# KiCad board dya-panelized.kicad_pcb (continued)
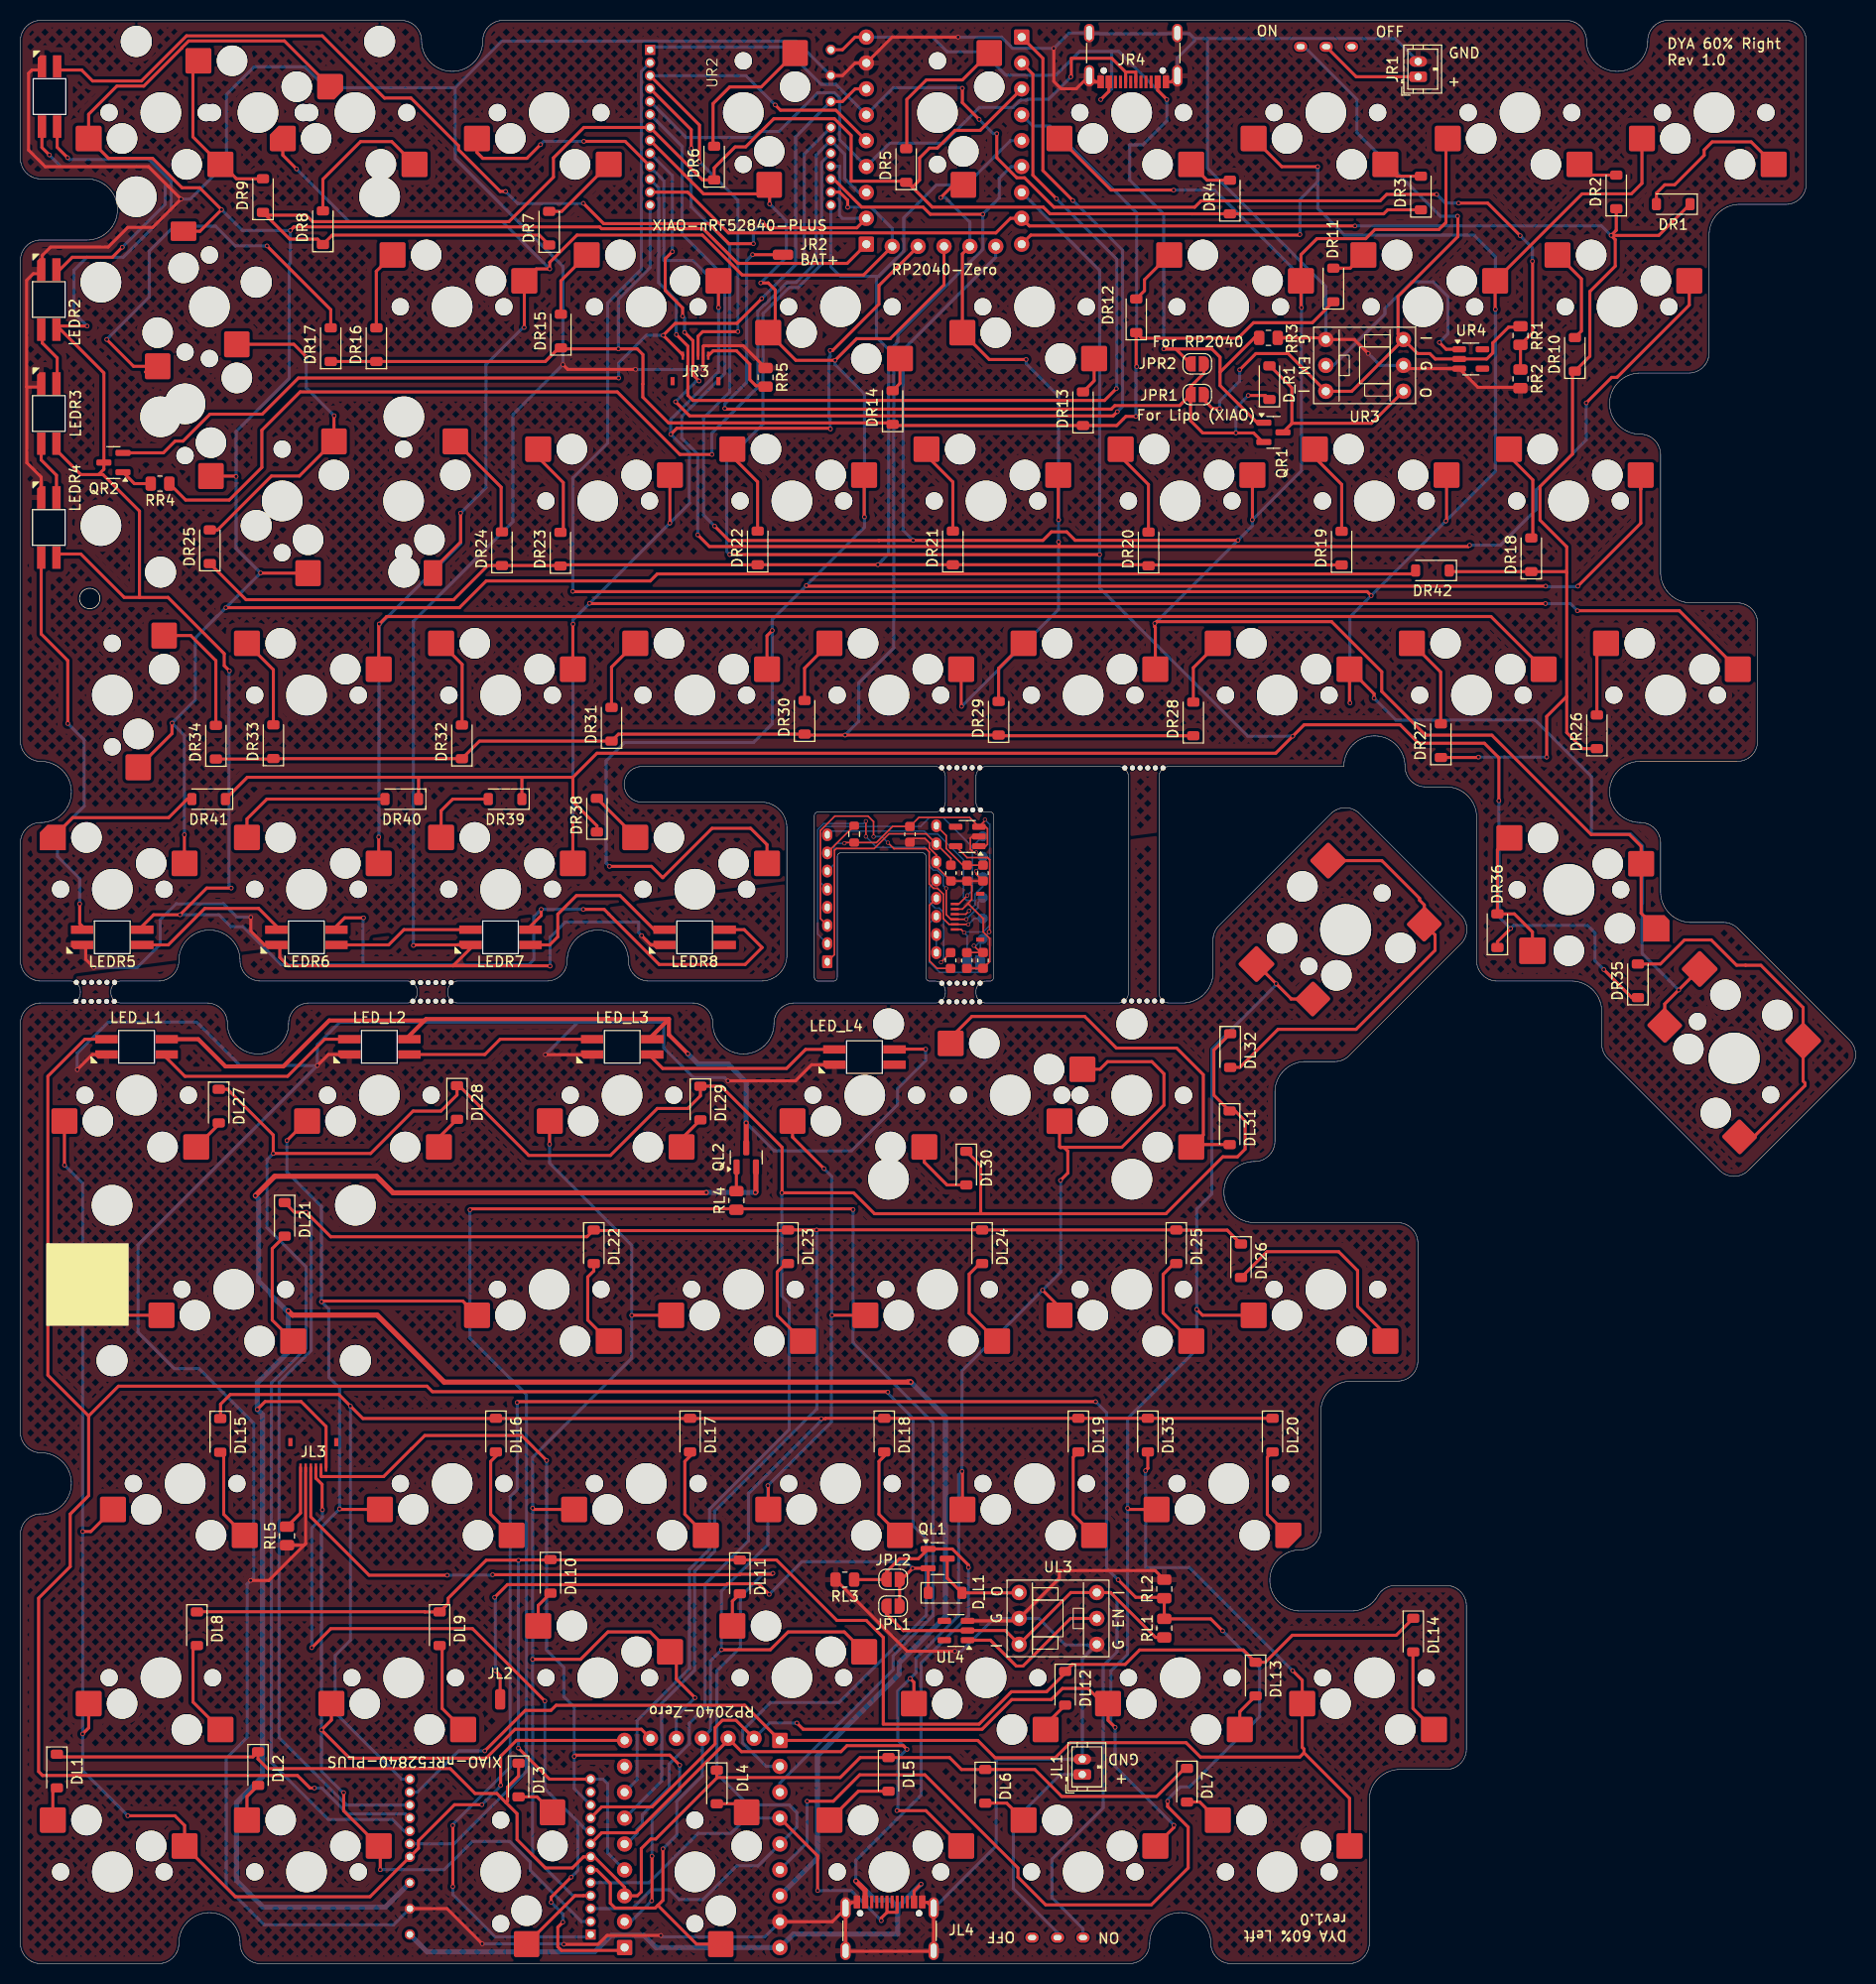
[diagram p0: board, top side]
## Routing (per net, layer and track width the routed paths; a pad name or vN(x,y) marks a point on that pad's centre or on a via; arc(x,y) is an arc through that point) (continued)
LED_R: length 101
  Top w0.3: UR1.15 82.07,170.3 73.37,170.3 v1(72.82,170.86) ; v1(71.92,168.75) 69.53,168.75 67.56,170.72 57.23,170.72 v1(55.24,172.71) ; v1(47.6,173.88) 47.08,173.88 42.99,177.97 42.99,178.37 38.32,183.04 35.72,183.04 29.62,189.14 16.3,189.14 11.87,184.71 7.09,184.71 6.01,185.78 LEDR1.3
  Bottom w0.3: UR2.22 80.37,176.35 80.37,171.52 80.66,171.24 UR1.15 ; v1(72.82,170.86) 71.92,169.96 v1(71.92,168.75) ; v1(55.24,172.71) 55.22,172.69 48.79,172.69 v1(47.6,173.88)
LR_COM_L: length 41.3
  Top w0.3: UL1.27 78.22,10.58 v1(78.22,7.17) ; 86.03,6.01 86.03,5.04 85.03,5.04 ; 85.03,5.04 85.03,6.01 ; 85.03,5.04 84.47,4.48 v1(84.47,4.22)
  Bottom w0.3: v1(78.22,7.17) 81.52,7.17 v1(84.47,4.22) ; UL1.27 71.21,14.28 69.72,12.78 66.5,12.78 61.65,7.94 UL2.3
LR_COM_R: length 64.3
  Top w0.3: JR4.A6 109.44,185.59 108.44,185.59 ; v1(103.06,185.12) 103.06,185.16 103.11,185.21 103.11,186.94 107.09,186.94 108.44,185.59 ; JR4.B6 108.44,185.59
  Bottom w0.3: UR2.3 65.31,179.16 71.94,179.16 72.54,179.76 74.43,179.76 78.22,183.55 79.87,183.55 80.37,183.05 80.37,178.95 UR1.27 85.29,178.61 90.57,178.61 94.08,182.12 97.4,182.12 98.12,182.84 98.7,182.84 98.77,182.91 100.86,182.91 103.09,185.14 103.07,185.12 v1(103.06,185.12)
MOTION: length 25
  Top w0.16: J1.4 92.76,102.96 v2(93.07,103.27)
  Bottom w0.16: J6.1 94.43,105.68 93.66,104.91 93.66,104.31 ; 93.66,104.31 93.66,103.86 v2(93.07,103.27) ; 93.66,104.31 92.86,104.31 92.53,104.65 92.53,108.3 89.98,110.84 88.96,110.84 88.69,111.11 79.53,111.11 U1.8
MOTION_L: length 110.3
  Top w0.3: v1(46.34,38.16) 70.56,38.16 70.6,38.2 73.74,38.2 v1(73.84,38.3) ; JL3.4 28.49,43.84 34.22,38.11 v1(41.87,38.11)
  Bottom w0.3: v1(46.34,38.16) 46.29,38.11 v1(41.87,38.11) ; UL2.2 60.03,5.4 61.89,7.26 63.67,7.26 64.64,6.29 66.97,6.29 70.28,9.59 72.38,9.59 UL1.28 76.18,13.4 76.18,14.84 75.44,15.58 71.41,15.58 68.34,18.65 68.34,28.74 70.64,31.04 70.64,36 72.94,38.3 v1(73.84,38.3)
MOTION_R: length 58.6
  Top w0.3: UR1.28 80.01,181.85 74.57,181.85 v1(74.06,182.36) ; v1(70.4,160.12) 66.94,160.12 66.49,159.67 JR3.4 ; v1(66.63,176.79) 66.63,180.38 UR2.2
  Bottom w0.3: v1(74.06,182.36) 71.18,185.23 UR2.2 ; v1(66.63,176.79) 70.4,173.02 v1(70.4,160.12)
NCS: length 30.7
  Top w0.16: J1.6 92.08,103.96 v2(92.91,104.8)
  Bottom w0.16: 93.4,109.57 J7.1 ; 93.4,109.57 93.4,105.28 v2(92.91,104.8) ; 93.4,109.57 90.52,112.45 89.21,112.45 88.34,111.57 78.9,111.57 78.49,111.16 78.49,106.1 U1.5
RL0: length 136.3
  Top w0.3: DL4.1 68.33,18.3 68.37,18.26 ; DL3.1 48.88,18.41 47.8,17.33 47.8,15.96 47.64,15.8 ; 68.37,18.26 62.34,12.23 61.85,12.23 60.92,11.3 60.92,7.05 60.53,6.66 UL1.2 59.28,7.5 56.3,10.48 UL2.4 55.25,10.48 54.16,9.39 51.51,9.39 48.73,12.17 48.73,14.71 47.64,15.8 ; 68.37,18.26 80.43,18.26 82.39,20.22 DL5.1 91.17,20.22 92.34,19.05 99.53,19.05 102.17,16.41 111.48,16.41 114.23,19.16 DL7.1 ; DL1.1 3.84,20.29 22.82,20.29 DL2.1 23.32,20.07 24.25,19.13 42.17,19.13 44.61,16.69 46.74,16.69 47.64,15.8
RL1: length 176.6
  Top w0.3: DL8.1 17.34,34.53 39.67,34.53 39.69,34.51 DL9.1 41.98,35.35 41.98,35.85 45.71,39.59 48.86,39.59 v1(48.87,39.58) 48.9,39.61 74.18,39.61 80.11,33.68 82.99,33.68 84.66,32.01 84.66,23.5 94.06,23.5 97.24,26.68 100.69,26.68 102.51,28.5 DL12.1 103.2,29.35 108.39,29.35 109.81,30.78 119.98,30.78 DL13.1 122.14,29.57 124.79,32.22 134.99,32.22 DL14.1 ; UL2.7 51.91,18.1 v1(48.86,21.15)
  Bottom w0.3: UL1.3 57.62,10.86 57.62,17.65 57.17,18.1 UL2.7 ; v1(48.87,39.58) 48.86,39.57 v1(48.86,21.15)
RL2: length 196.9
  Top w0.3: DL33.1 110.32,53.5 110.31,53.5 ; 110.31,53.5 122.85,53.5 DL20.1 ; 110.31,53.5 79,53.5 78.97,53.47 v1(78.57,53.47) 78.55,53.49 33.6,53.49 v1(32.38,54.71) 31.25,55.84 20.59,55.84 19.64,54.89 19.64,53.5 DL15.1
  Bottom w0.3: v1(32.38,54.71) 32.38,31.73 30.89,30.24 30.89,24.62 37.41,18.1 UL2.8 ; v1(78.57,53.47) 78.57,53.28 71.43,46.14 71.43,41.48 67.18,37.23 67.18,25.12 65.63,23.57 65.63,21.56 63.66,19.59 63.66,17.25 61.02,14.61 61.02,13.7 60.5,13.18 60.5,12.77 59.47,11.74 UL1.4
RL3: length 230.3
  Top w0.3: DL24.1 DL25.1 113.43,71.97 118.4,71.97 DL26.1 ; DL21.1 26.88,73.72 v1(28.04,73.72) 30.45,71.32 55.59,71.32 DL22.1 56.33,71.92 75.24,71.92 DL23.1 75.31,71.99 v1(78.12,71.99) 78.13,72 94.35,72 94.36,71.98
  Bottom w0.3: v1(28.04,73.72) 28.53,73.24 28.53,60.17 25.38,57.02 25.38,22.19 32.01,15.56 UL2.9 ; UL1.5 62.92,17.92 62.92,25.54 66.15,28.77 66.15,38.49 68.11,40.45 68.11,44.39 78.14,54.42 78.14,71.97 v1(78.12,71.99)
RL4: length 289.8
  Top w0.3: 94.22,73.58 112.39,73.58 117.97,79.16 119.41,79.16 120.16,79.91 120.16,82.69 119.19,83.66 DL31.1 117.1,85.21 117.1,89.63 DL32.1 ; 94.22,73.58 94.22,78.29 DL30.1 ; 94.22,73.58 83.8,73.58 81.75,75.63 v1(74.71,75.63) 74.73,75.65 74.73,80.1 68.74,86.09 DL29.1 66.72,85.14 65.49,83.9 62.5,83.9 57.89,79.3 49.88,79.3 43.04,86.14 DL28.1 42.84,85.23 41.26,83.65 38.52,83.65 34.36,79.49 v1(24.81,79.49) 24.81,81.3 20.32,85.79 DL27.1
  Bottom w0.3: UL1.6 60.51,18.05 60.51,23.84 65.65,28.98 65.65,38.7 67.61,40.66 67.61,44.6 75.43,52.41 75.43,64.79 74.71,65.51 v1(74.71,75.63) ; v1(24.81,79.49) 24.2,78.88 24.2,72.2 28.03,68.37 28.03,60.38 24.63,56.98 24.63,19.73 30.21,14.15 36.51,14.15 37.64,13.02 UL2.10
RR0: length 177
  Top w0.3: DR9.1 26.42,169.2 29.15,169.2 DR8.1 30.6,169.59 50.91,169.59 DR7.1 ; UR1.2 94.17,179.87 91.7,179.87 89.96,178.13 89.19,178.13 88.22,177.16 88.22,174.99 87.52,174.28 89.47,172.34 100.36,172.34 101.02,171.68 114.91,171.68 114.91,171.68 133.76,171.68 134.15,172.07 DR3.1 ; 23.77,171.57 23.79,171.55 28.03,171.55 28.67,170.91 47.93,170.91 52.3,175.28 52.3,177.16 55.29,180.15 UR2.4 66.92,175.01 DR6.1 68.07,176.19 70.13,178.25 71.16,178.25 73.92,181.01 79.87,181.01 81.51,179.37 81.51,174.89 81.52,174.88 86.8,174.88 DR5.1 87.04,174.77 87.52,174.28
RR1: length 160.6
  Top w0.3: DR11.1 126.77,161 120.99,161 119.46,159.47 110.04,159.47 DR12.1 109.47,160.02 109.47,156.75 v1(109.53,156.69) ; v1(109.45,151.81) 108.47,151.81 107.57,150.91 DR13.1 85.69,150.91 DR14.1 85.43,151.17 63.59,151.17 61.07,153.69 61.07,154.97 61.08,154.98 61.08,157.87 60.52,158.43 v1(58.67,158.43) 53.13,158.43 DR15.1 52.84,158.53 51.5,157.19 DR16.1 DR17.1
  Bottom w0.3: v1(109.45,151.81) 109.45,156.61 v1(109.53,156.69) 109.53,171.77 101,180.3 99.34,180.3 UR1.3 ; UR2.7 61.78,166.39 58.67,163.28 v1(58.67,158.43)
RR2: length 176.1
  Top w0.3: DR19.1 110.77,137.23 DR20.1 110.59,137.25 DR21.1 v1(84.13,137.25) 72.34,137.25 DR22.1 53.11,137.25 DR23.1 52.75,137.13 52.71,137.17 DR24.1 45.85,137.17 42.5,133.82 22.14,133.82 DR25.1
  Bottom w0.3: 84.2,165.55 84.03,165.55 84,165.51 84,159.56 85.19,158.37 85.19,138.32 84.6,137.74 84.6,137.72 v1(84.13,137.25) ; 84.2,165.55 80.45,165.55 79.52,166.48 UR2.8 ; 84.2,165.55 86.67,168.02 86.67,171.31 89.88,174.51 92.79,174.51 97.14,178.86 UR1.4
RR3: length 176.9
  Top w0.3: DR28.1 96.05,120.47 DR29.1 77.03,120.54 DR30.1 58.68,120.63 DR31.1 45.05,119.95 DR32.1 24.84,118.22 DR33.1 24.52,118.24 24.47,118.19 DR34.1 ; v1(94.43,171.63) 89.27,171.63 88.57,172.34 82.55,172.34 79.81,175.08 UR2.9
  Bottom w0.3: UR1.5 97.2,176.32 96.04,175.16 96.04,173.24 v1(94.43,171.63) 94.43,168.19 86.09,159.85 86.09,159.08 85.69,158.69 85.69,129.07 82.26,125.64 82.26,121.88 v1(80.91,120.54)
RR4: length 324.2
  Top w0.3: 39.08,116.4 39.07,116.39 DR40.1 ; 39.08,116.4 22.26,116.4 DR41.1 ; 39.08,116.4 49.21,116.4 ; DR39.1 49.21,116.39 49.21,116.4 ; DR38.1 56.57,111.64 54.21,114 54.21,116.4 ; 49.21,116.4 54.21,116.4 ; v1(145.06,114.1) 145.06,118.32 143.64,119.74 137.18,119.74 135.37,121.55 125.96,121.55 v1(124.84,120.43) 123.17,118.76 56.57,118.76 54.21,116.4 ; DR35.1 158.11,94.78 v1(155.36,97.53) ; DR36.1 144.92,100.27 v1(146.21,101.56) ; v1(105.89,138.25) v1(69.6,138.25)
  Bottom w0.3: v1(155.36,97.53) 154.51,98.38 154.5,98.38 154.5,101.13 153.77,101.86 146.51,101.86 v1(146.21,101.56) 145.06,102.71 v1(145.06,114.1) ; v1(124.84,120.43) 120.43,120.43 105.89,134.97 v1(105.89,138.25) 105.89,166.13 UR1.6 ; UR2.10 78.62,176.72 78.62,166.76 76.31,164.45 75.42,164.45 72.86,161.88 72.86,151.05 69.3,147.49 69.3,138.55 v1(69.6,138.25)
RR5: length 194.6
  Top w0.3: DR2.1 156.58,170.07 v1(156.07,169.56) ; 151.72,124.33 151.72,120.78 153.29,119.21 DR26.1 ; 151.72,124.33 151.72,136.49 ; 151.72,124.33 149.75,122.36 v1(149.75,118.38) ; v1(156.07,169.56) 156.48,169.15 156.48,166.55 153.99,164.06 153.99,157.71 152.28,156 152.28,148.1 149.1,144.92 149.1,141.63 151.72,139.01 151.72,136.49 ; v1(156.07,169.56) 160.75,169.56 DR1.1 ; 151.72,136.49 151.63,136.58 DR18.1 140.3,136.58 DR42.1 ; DR27.1 143.02,118.34 v1(143.06,118.38) ; UR2.20 65.47,173.8 69.47,169.8 95.7,169.8 97.14,171.24 UR1.7 98.99,170.49 v1(130.94,170.49)
  Bottom w0.3: v1(130.94,170.49) 130.95,170.5 155.13,170.5 v1(156.07,169.56) ; v1(143.06,118.38) v1(149.75,118.38)
SCLK: length 34.9
  Top w0.16: U1.3 78.49,102.54 78.49,111.16 79.91,112.58 83.17,112.58 83.71,112.04 v2(83.71,110.56) ; v2(93,101.96) 93,101.96 J1.2 91.12,101.96 90.55,102.53 90.55,104.93 89.98,105.5 89.59,105.5 89.17,105.92 89.17,109.08 88.86,109.39 85.7,109.39 v2(85.12,109.97)
  Bottom w0.16: v2(85.12,109.97) 84.53,110.56 v2(83.71,110.56) ; v2(93,101.96) 93.59,102.54 J4.1
SCLK_L: length 90
  Top w0.3: JL3.2 29.49,47.84 29.54,47.79 35.64,47.79 38.37,50.52 38.38,50.52 39.68,51.82 49.18,51.82 v1(51.63,49.37) ; v1(54.34,20.33) 54.47,20.46 63.71,20.46 v1(64.69,19.48) ; v1(61.97,10.55) 61.97,6.2 v1(61.94,6.17)
  Bottom w0.3: v1(51.63,49.37) 51.63,30.75 53.32,29.06 53.32,26.19 54.34,25.17 54.34,17.17 UL2.6 ; UL1.1 59.89,4.12 v1(61.94,6.17) ; v1(61.97,10.55) 61.97,14.19 64.69,16.91 v1(64.69,19.48)
SCLK_R: length 101.3
  Top w0.3: v1(101.65,173.16) 99.34,175.47 99.34,185.38 UR1.1 ; v1(107.53,154.53) 106.37,153.37 65.99,153.37 65.49,153.87 65.49,158.7 v1(64.36,159.83)
  Bottom w0.3: v1(101.65,173.16) 107.57,167.24 107.57,154.57 v1(107.53,154.53) ; v1(64.36,159.83) 64.36,163.2 62.63,164.93 62.63,174.22 UR2.6
SDIO: length 37
  Top w0.16: v2(92.82,102.46) J1.3 91.29,102.46 90.84,102.92 v2(90.84,105.49) ; v2(82.96,110.58) v2(82.96,112.08)
  Bottom w0.16: J5.1 93.96,104.1 93.96,103.6 v2(92.82,102.46) ; v2(90.84,105.49) 90.55,105.78 90.55,106.71 89.98,107.28 89.59,107.28 89.17,107.7 89.17,109.06 88.71,109.52 84.02,109.52 v2(82.96,110.58) ; U1.2 78.23,101.02 78.23,111.27 78.81,111.84 82.72,111.84 v2(82.96,112.08)
SDIO_L: length 80.6
  Top w0.3: UL1.0 59,1.3 53.08,1.3 52.73,1.65 52.73,3.57 v1(53.23,4.07) ; v1(51.46,25.77) 44.36,32.87 30.46,32.87 v1(28.59,31) ; v1(29.63,44.53) 29.6,44.56 29.6,47.02 28.99,47.63 JL3.3 ; v1(54.04,8.49) 52.07,6.52 v1(52.07,6.02)
  Bottom w0.3: v1(51.46,25.77) 51.46,17.15 54.7,13.91 ; v1(52.07,6.02) 53.23,4.86 v1(53.23,4.07) ; UL2.5 55.59,13.02 54.7,13.91 ; v1(29.63,44.53) 29.63,43.78 28.59,42.74 v1(28.59,31) ; 54.7,13.91 54.7,9.14 v1(54.04,8.49)
SDIO_R: length 113.2
  Top w0.3: v1(64.97,161.64) 64.97,162.45 63.27,164.15 63.27,167.26 v1(63.97,167.97) ; v1(107.62,152.26) 107.22,151.86 65.66,151.86 v1(64.28,153.24) ; v1(103.26,172.99) 100.32,175.92 100.32,186.93 UR1.0 ; v1(66.59,155.28) 65.99,155.88 65.99,159.23 v1(65.17,160.05)
  Bottom w0.3: v1(65.17,160.05) 65.17,161.44 v1(64.97,161.64) ; v1(63.97,167.97) 63.97,175.42 UR2.5 ; v1(103.26,172.99) 108.13,168.12 108.13,152.77 v1(107.62,152.26) ; v1(64.28,153.24) 66.32,155.28 v1(66.59,155.28)
Net-(D_L1-A): length 9.6
  Top w0.3: D_L1.2 97.96,36.38 UL3.6 ; D_L1.2 90.94,37.82 QL1.3 ; D_L1.2 92.4,36.4
Net-(D_R1-A): length 19.8
  Top w0.3: 124.75,151.13 124.75,154.61 122.74,156.62 ; 124.75,151.13 124.75,151.11 QR1.3 ; 124.75,151.13 132.56,151.13 UR3.6
Net-(DL1-A): length 3.3
  Top w0.3: DL1.2 3.18,16.85 SWL1.2
Net-(DL2-A): length 3.9
  Top w0.3: DL2.2 22.23,16.4 SWL2.2
Net-(DL3-A): length 4
  Top w0.3: SWL3.2 50.69,16.36 DL3.2
Net-(DL4-A): length 3.3
  Top w0.3: DL4.2 70.41,15.69 SWL4.2
Net-(DL5-A): length 7
  Top w0.3: SWL5.2 82.22,16.92 DL5.2
Net-(DL6-A): length 4.5
  Top w0.3: SWL6.2 96.77,15.75 DL6.2
Net-(DL7-A): length 3.8
  Top w0.3: SWL7.2 115.71,15.86 DL7.2
Net-(DL8-A): length 9.5
  Top w0.3: DL8.2 16.94,30.83 16.94,25.66 SWL8.2
Net-(DL9-A): length 9.2
  Top w0.3: SWL9.2 41.38,25.04 41.38,30.96 DL9.2
Net-(DL10-A): length 3.7
  Top w0.3: SWL10.2 50.81,35.14 DL10.2
Net-(DL11-A): length 3.5
  Top w0.3: DL11.2 69.86,35.56 SWL11.2
Net-(DL12-A): length 3.2
  Top w0.3: DL12.2 100.59,23.45 SWL12.2
Net-(DL13-A): length 3.9
  Top w0.3: DL13.2 119.64,24.72 SWL13.2
Net-(DL14-A): length 8.5
  Top w0.3: SWL14.2 136.63,25.04 136.63,30.56 DL14.2
Net-(DL15-A): length 9.1
  Top w0.3: SWL15.2 19.95,44.09 19.95,49.84 DL15.2
Net-(DL16-A): length 8.9
  Top w0.3: 46.74,49.87 46.14,49.27 46.14,44.09 SWL16.2
Net-(DL17-A): length 8.9
  Top w0.3: SWL17.2 65.19,44.09 65.19,49.27 65.79,49.87
Net-(DL18-A): length 8.9
  Top w0.3: SWL18.2 84.24,44.09 84.24,49.27 84.84,49.87
Net-(DL19-A): length 9.2
  Top w0.3: DL19.2 103.29,49.69 103.29,44.09 SWL19.2
Net-(DL20-A): length 9.2
  Top w0.3: SWL20.2 122.34,44.09 122.34,49.69 DL20.2
Net-(DL21-A): length 11.7
  Top w0.3: DL21.2 24.71,70.15 24.71,63.13 SWL21.2
Net-(DL22-A): length 8.7
  Top w0.3: SWL22.2 55.67,63.14 55.67,67.37 56.26,67.97 56.26,67.97 DL22.2
Net-(DL23-A): length 9.6
  Top w0.3: SWL23.2 74.26,63.59 74.26,67.86 75.31,68.91 DL23.2
Net-(DL24-A): length 9.7
  Top w0.3: DL24.2 94.36,68.91 93.09,67.64 93.09,63.81 SWL24.2
Net-(DL25-A): length 9.8
  Top w0.3: DL25.2 113.41,68.91 112.12,67.62 112.12,63.83 SWL25.2
Net-(DL26-A): length 21.3
  Top w0.3: SWL26.2 133.93,61.76 131.2,64.49 131.2,68 129.35,69.85 122.3,69.85 DL26.2
Net-(DL27-A): length 3.3
  Top w0.3: DL27.2 19.46,82.33 SWL27.2
Net-(DL28-A): length 3.4
  Top w0.3: SWL28.2 41.06,81.06 DL28.2
Net-(DL29-A): length 3.4
  Top w0.3: SWL29.2 64.87,80.94 DL29.2
Net-(DL30-A): length 7
  Top w0.3: DL30.2 90.92,76.4 88.69,78.63 SWL30.2 88.69,80.57
Net-(DL31-A): length 40
  Top w0.3: SWL31-hole2.2 91.28,90.85 93.35,92.93 104.43,92.93 107.53,89.83 113.45,89.83 116.06,87.22 116.06,81.29 SWL31.2 115.12,80.36 DL31.2
Net-(DL32-A): length 41.1
  Top w0.3: SWL32.2 133.58,108.22 137.28,104.52 137.28,104.34 137.75,103.87 SWL32.2 138.8,100.93 138.8,99.42 131.05,91.67 123.39,91.67 119.66,87.93 DL32.2
Net-(DR1-A): length 15.9
  Top w0.3: DR1.2 160.52,173.7 161.34,174.53 162.31,174.53 165.2,177.42 165.2,177.95 165.99,178.74 169.82,178.74 SWR1.2
Net-(DR2-A): length 4
  Top w0.3: SWR2.2 154.03,175.48 DR2.2
Net-(DR3-A): length 4
  Top w0.3: SWR3.2 135.09,175.37 DR3.2
Net-(DR4-A): length 4.4
  Top w0.3: DR4.2 116.43,174.98 SWR4.2
Net-(DR5-A): length 15
  Top w0.3: 95.06,187.45 92.43,184.81 88.89,184.81 86.97,182.9 86.97,178.13 DR5.2 87.03,178.19
Net-(DR6-A): length 14.3
  Top w0.3: SWR6.2 72.69,184.13 69.6,184.13 67.96,182.49 67.96,178.42 DR6.2
Net-(DR7-A): length 7.8
  Top w0.3: DR7.2 53.11,171.92 SWR7.2
Net-(DR8-A): length 14.6
  Top w0.3: DR8.2 29.68,175.07 33.38,178.77 36.44,178.77 SWR8.2
Net-(DR9-A): length 16.3
  Top w0.3: DR9.2 21.2,175.12 19.79,176.53 SWR9.2 16.93,179.22 16.93,186.15 SWR9-2.2
Net-(DR10-A): length 9.3
  Top w0.3: SWR10.2 153.16,165.29 153.16,160.18 DR10.2
Net-(DR11-A): length 3.5
  Top w0.3: DR11.2 130.48,166.35 SWR11.2
Net-(DR12-A): length 5.7
  Top w0.3: SWR12.2 110.29,165.21 110.29,164.14 DR12.2
Net-(DR13-A): length 4.9
  Top w0.3: DR13.2 105.35,155.3 105.35,156.33 ; 105.35,156.33 SWR13.2 105.35,156.33
Net-(DR14-A): length 4.6
  Top w0.3: 86.3,156.36 86.3,155.04 DR14.2 ; 86.3,156.36 SWR14.2 86.3,156.36
Net-(DR15-A): length 6.9
  Top w0.3: SWR15.2 53.03,165.1 DR15.2
Net-(DR16-A): length 7.8
  Top w0.3: DR16.2 34.92,160.5 34.92,166.04 SWR16.2
Net-(DR17-A): length 42.7
  Top w0.3: DR17.2 30.45,162.28 v1(24.2,168.53) ; v1(8.47,159.35) 11.1,156.72 SWR17.2 ; 14.42,156.16 12.26,156.16
  Bottom w0.3: v1(8.47,159.35) 12.64,163.52 12.64,168.03 15.08,170.47 19.15,170.47 21.09,168.53 v1(24.2,168.53)
Net-(DR18-A): length 9.7
  Top w0.3: 146.05,148.59 146.05,147.91 148.39,145.58 148.39,140.03 DR18.2
Net-(DR19-A): length 9.2
  Top w0.3: DR19.2 129.64,140.54 129.64,145.13 127,147.76 127,148.59
Net-(DR20-A): length 9.3
  Top w0.3: SWR20.2 107.95,147.84 110.68,145.12 110.68,140.46 DR20.2
Net-(DR21-A): length 9.1
  Top w0.3: SWR21.2 88.9,147.95 91.49,145.37 DR21.2
Net-(DR22-A): length 9.1
  Top w0.3: SWR22.2 69.85,147.85 72.33,145.38 72.33,140.56 DR22.2
Net-(DR23-A): length 9.3
  Top w0.3: SWR23.2 50.8,147.77 53.27,145.31 53.27,140.71 DR23.2
Net-(DR24-A): length 10.8
  Top w0.3: DR24.2 47.17,140.55 47.17,144.86 SWR24.2
Net-(DR25-A): length 32.5
  Top w0.3: v1(28.06,157.65) 26.83,158.88 SWR25-2.2 ; DR25.2 19.35,140.67 24.64,145.95 27.37,145.95 SWR25.2 30.77,151.84 v1(30.79,151.87)
  Bottom w0.3: v1(30.79,151.87) 28.06,154.6 v1(28.06,157.65)
Net-(DR26-A): length 7.4
  Top w0.3: SWR26.2 154.68,128.64 DR26.2
Net-(DR27-A): length 9.1
  Top w0.3: DR27.2 139.35,121.66 139.35,126.72 SWR27.2
Net-(DR28-A): length 6.8
  Top w0.3: DR28.2 115.08,127.14 SWR28.2
Net-(DR29-A): length 6.7
  Top w0.3: DR29.2 95.98,127.09 SWR29.2
Net-(DR30-A): length 6.6
  Top w0.3: DR30.2 76.94,127.1 SWR30.2
Net-(DR31-A): length 7.3
  Top w0.3: SWR31.2 58,127.21 DR31.2
Net-(DR32-A): length 8.9
  Top w0.3: DR32.2 43.34,121.54 43.34,127.48 SWR32.2
Net-(DR33-A): length 9.1
  Top w0.3: SWR33.2 24.82,126.95 DR33.2
Net-(DR34-A): length 12.4
  Top w0.3: SWR34.2 16.72,130.3 19.18,127.84 DR34.2
Net-(DR35-A): length 36.2
  Top w0.3: DR35.2 160.91,98.08 163.27,100.44 165.9,100.44 168.38,97.96 169.26,97.96 169.27,97.95 170.77,97.95 174.91,93.8 SWR35.2 174.91,86.58 175.1,86.4 175.1,86.15 170.07,81.12 SWR35.2
Net-(DR36-A): length 14
  Top w0.3: SWR36.2 144.92,109.28 DR36.2 146.58,103 148.35,101.22 SWR36.2
Net-(DR38-A): length 5.4
  Top w0.3: DR38.2 60.33,110.57 SWR38.2
Net-(DR39-A): length 7.7
  Top w0.3: SWR39.2 41.28,112.92 41.27,112.93 41.27,113.11 42.42,114.26 DR39.2
Net-(DR40-A): length 16.2
  Top w0.3: SWR40.2 22.23,112.31 24.18,114.26 DR40.2
Net-(DR41-A): length 15.2
  Top w0.3: SWR41.2 5.13,112.44 14.55,112.44 16.37,114.26 DR41.2
Net-(JL1-Pin_1): length 21.9
  Bottom w0.3: SW_BATL1.2 101.76,3.04 97.42,7.38 97.42,13.94 102.04,18.56 JL1.1
Net-(JL3-Pin_6): length 6.3
  Top w0.3: JL3.6 27.49,44.21 RL5.2
Net-(JR1-Pin_1): length 10.3
  Top w0.3: JR1.1 131.06,185.13 SW_BATR1.2
Net-(JR3-Pin_6): length 8.1
  Top w0.3: JR3.6 67.97,158.24 70.26,158.24 71.57,156.93 71.57,155.41 72.17,154.81 73.11,154.81
Net-(LED_L1-DOUT): length 21
  Top w0.3: LED_L1.1 16.14,87.06 26.21,87.06 29.85,90.7 LED_L2.3
Net-(LED_L1-VDD): length 103.6
  Top w0.3: 71.22,82.48 v1(71.21,82.49) ; 39.66,92.54 39.8,92.68 ; v1(88.82,89.73) 85.45,89.73 85.42,89.7
  Top w0.4: LED_L2.4 39.8,92.68 63.63,92.68 ; 39.66,92.54 30.31,92.54 25.8,88.03 20.12,88.03 17.45,90.7 LED_L1.4 ; 63.63,92.68 63.63,91.13 v1(65.49,89.27) ; 63.63,92.68 LED_L3.4
  Top w0.5: QL2.3 71.22,82.48
  Bottom w0.3: v1(88.82,89.73) 88.82,88.6 86.06,85.84 86.06,84.27 81.54,79.75 73.95,79.75 v1(71.21,82.49)
  Bottom w0.5: v1(71.21,82.49) 71.21,86.49 69.43,88.27 66.5,88.27 v1(65.49,89.27)
Net-(LED_L2-DOUT): length 19.3
  Top w0.3: LED_L2.1 45.57,89.2 47.07,90.7 LED_L3.3
Net-(LED_L3-DOUT): length 19.9
  Top w0.3: LED_L3.1 63.02,87.83 75.17,87.83 77.04,89.7 LED_L4.3
Net-(LEDR1-DOUT): length 31.5
  Top w0.3: v1(10,168.4) 9.02,167.42 5.09,167.42 LEDR2.3 ; v1(2.84,177.46) 2.11,178.19 LEDR1.1
  Bottom w0.3: v1(10,168.4) 14.21,172.61 14.21,174.63 12.53,176.31 3.99,176.31 v1(2.84,177.46)
Net-(LEDR1-VDD): length 212.3
  Top w0.3: LEDR1.4 3.61,178.21 v1(4.63,177.19) ; 11.69,134.04 11.69,142.51 8.1,146.1 7.67,146.1 ; 11.69,134.04 14.49,134.04 20,128.53 20,127.35 v1(20.51,126.84) ; 11.69,134.04 11.68,134.05 10.18,134.05 5.93,138.3 LEDR4.4 ; LEDR5.4 13.07,102.91 v1(15.66,102.91) 18.28,105.53 v1(20.69,105.53) ; 7.67,146.1 8.19,146.62 8.19,156.06 3.59,160.67 v1(6.55,160.67) ; 7.67,146.1 5.93,146.1 3.54,148.49 LEDR3.4 ; v1(51.1,103.44) 51.1,102.84 LEDR7.4 ; LEDR8.4 71.02,101.45 72.78,99.69 71.11,98.03 62.68,98.03 57.73,102.98 57.73,102.99 57.28,103.44 v1(55.23,103.44) ; LEDR6.4 31.82,102.61 v1(33.67,102.61)
  Bottom w0.3: v1(20.69,105.53) 20.47,105.75 20.47,126.8 v1(20.51,126.84) ; v1(15.66,102.91) 19.49,102.91 20.65,101.75 21.84,101.75 25.58,98.01 33.62,98.01 ; 33.62,98.01 33.62,102.56 v1(33.67,102.61) ; 33.62,98.01 49.88,98.01 50.38,98.51 50.38,102.72 v1(51.1,103.44) v1(55.23,103.44) ; v1(6.55,160.67) 5.26,161.96 5.26,166.16 6.52,167.42 10.08,167.42 14.79,172.13 14.79,174.86 12.64,177.01 4.81,177.01 v1(4.63,177.19)
Net-(LEDR2-DOUT): length 6.6
  Top w0.3: LEDR3.3 3.61,154.75 3.61,157.53 2.15,158.99 2.15,160.61
Net-(LEDR3-DOUT): length 6.6
  Top w0.3: LEDR3.1 2.04,147.53 3.54,146.03 LEDR4.3
Net-(LEDR4-DOUT): length 40.8
  Top w0.3: v1(5.82,103.98) 5.82,102.04 LEDR5.3 ; LEDR4.1 2.04,130.46 4.65,127.85 v1(4.65,121.67)
  Bottom w0.3: v1(5.82,103.98) 5.82,106.46 3.64,108.64 3.64,110.94 6.26,113.56 6.26,120.06 v1(4.65,121.67)
Net-(LEDR5-DOUT): length 16.2
  Top w0.3: LEDR5.1 14.51,99.95 18.09,103.53 23.38,103.53 LEDR6.3
Net-(LEDR6-DOUT): length 14.5
  Top w0.3: LEDR6.1 36.13,99.95 37.63,101.45 LEDR7.3
Net-(LEDR7-DOUT): length 18.5
  Top w0.3: LEDR8.3 62.18,101.45 58.84,104.79 54.55,104.79 52.73,102.97 52.73,100.75 51.93,99.95 LEDR7.1
Net-(QL2-G): length 2.5
  Top w0.3: 70.25,75.7 70.25,78.15 QL2.1
Net-(QR2-G): length 3.2
  Top w0.3: RR4.2 11.19,145.21 QR2.1
Net-(U1-+VCSEL): length 25
  Top w0.16: U1.1 79.86,98.99 79.86,109.21 80.06,109.4 83.77,109.4 85.21,110.84 88.89,110.84 U1.10 91.3,108.44 C6.1
Net-(U1--VCSEL): length 1.8
  Bottom w0.16: U1.16 U1.15
Net-(UL3-EN): length 15.7
  Top w0.3: UL4.1 95.17,31.73 97.71,29.2 98.37,29.2 103.04,33.87 UL3.2
Net-(UR3-EN): length 23.4
  Top w0.3: v1(139.22,159.06) 139.89,158.39 UR4.1
  Bottom w0.3: v1(139.22,159.06) 140.05,159.89 140.05,163.57 138.62,165 136.49,165 133.88,162.4 133.88,161.86 128.83,156.81 UR3.2
unconnected-(U1-CN-Pad13): length 8.8
  Top w0.16: U1.13 89.19,103.85 89.19,98.4 89.94,97.64 C5.2
unconnected-(U1-CP-Pad12): length 10.6
  Top w0.16: v2(90.33,98.24) 90.33,98.25 C5.1
  Bottom w0.16: v2(90.33,98.24) 90.58,98.49 90.58,103.13 90.15,103.55 89.75,103.55 89.19,104.12 89.19,105.63 U1.12
unconnected-(U1-NRESET-Pad7): length 3.8
  Top w0.16: R1.1 79.17,109 U1.7
unconnected-(U1-VCP-Pad9): length 6.9
  Top w0.16: U1.9 90.84,110.68 90.84,109.4 92.47,107.77 C3.1 C4.1

## Copper pours and planes (outline as drawn; the poured copper is in the pictures)
GND on Top: 77.65,96.52 95.52,96.38 95.49,112.98 77.91,112.98
GND on Bottom: 77.9,96.36 95.51,96.38 95.48,112.98 77.9,112.98
GNDL on Top: 144.96,-4.19 -4.74,-4.54 -3.74,95.65 141.55,114.56
GNDL on Bottom: 143.01,-4.61 -4.74,-4.54 -3.41,95.65 141.59,114.74 142.88,116.03
GNDR on Top: -6,199.19 180.27,194.63 181.82,74.78 -3.74,95.65 -6.01,199.21
GNDR on Bottom: -6,199.19 179.75,194.63 182.47,74.84 -3.41,95.65 -3.92,195.09

## Text on the board
B.Silkscreen: GND | NCS | MOT | DIO | SCK | VCC
F.Silkscreen: BAT+ | For Lipo (XIAO) | For RP2040 | ON | OFF | + | GND | DYA 60% Right / Rev 1.0 | DYA 60% Left / rev1.0
